# Altium PCB 驰风队20200806.PcbDoc (part 3 of 3) (continued)
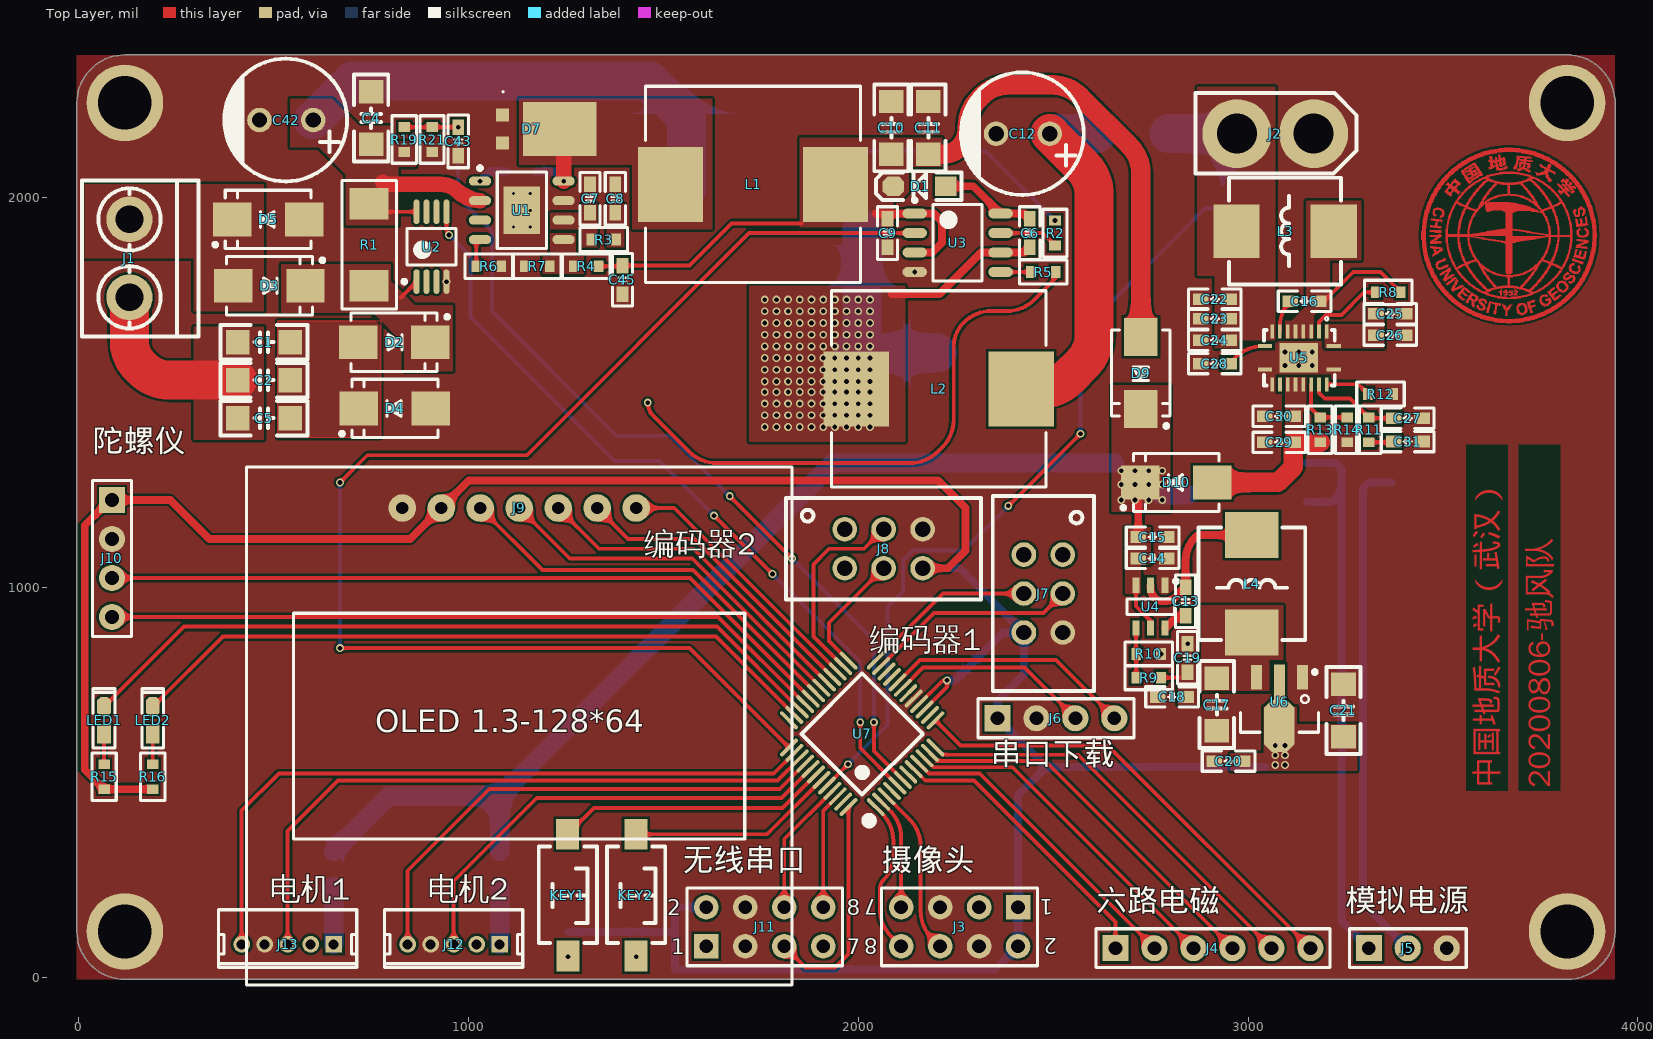
[diagram p0: Top Layer view]
## Nets (pads, with @x,y where several pads share a name; then routed paths per layer and width w, separated by ;. In a path a pad name is that pad's centre, name@x,y a point inside that pad or via, vN(x,y) a via of type N, cw(c..) or ccw(c..) an arc to the next point about the centre after c; other vN are vias at no path point) (continued)
3808,2041.5 ; 3805,2046 3812.5,2046 ; 3806.5,1824 3811,1824 ; 3806.5,1825.5 3812.5,1825.5 ; 3806.5,1984.5 3811,1984.5 ; 3806.5,2020.5 3824.5,2020.5 ; 3806.5,2022 3823,2022 ; 3806.5,2034 3812.5,2034 ; 3806.5,2037 3809.5,2037 ; 3806.5,2047.5 3811,2047.5 ; 3806.5,2070 3821.5,2070 ; 3808,1740 3823,1740 ; 3808,1827 3812.5,1827 ; 3808,1828.5 3814,1828.5 ; 3808,1981.5 3812.5,1981.5 ; 3808,1983 3812.5,1983 ; 3808,2032.5 3814,2032.5 ; 3808,2049 3809.5,2049 ; 3808,2068.5 3823,2068.5 ; 3809.5,1741.5 3824.5,1741.5 ; 3809.5,1782 3817,1782 ; 3809.5,1794 3826,1794 ; 3809.5,1795.5 3814,1795.5 ; 3809.5,1797 3814,1797 ; 3809.5,1798.5 3814,1798.5 ; 3809.5,1800 3814,1800 ; 3809.5,1830 3814,1830 ; 3809.5,1831.5 3815.5,1831.5 ; 3809.5,1978.5 3814,1978.5 ; 3809.5,1980 3814,1980 ; 3809.5,2031 3815.5,2031 ; 3809.5,2067 3824.5,2067 ; 3811,1743 3826,1743 ; 3811,1764 3818.5,1764 ; 3811,1780.5 3818.5,1780.5 ; 3811,1792.5 3823,1792.5 ; 3811,1801.5 3815.5,1801.5 ; 3811,1803 3817,1803 ; 3811,1833 3815.5,1833 ; 3811,1834.5 3817,1834.5 ; 3811,1975.5 3815.5,1975.5 ; 3811,1977 3815.5,1977 ; 3811,2025 3812.5,2025 ; 3811,2029.5 3817,2029.5 ; 3811,2041.5 3821.5,2041.5 ; 3811,2065.5 3826,2065.5 ; 3812.5,1744.5 3827.5,1744.5 ; 3812.5,1779 3820,1779 ; 3812.5,1791 3821.5,1791 ; 3812.5,1804.5 3823,1804.5 ; 3812.5,1836 3817,1836 ; 3812.5,1837.5 3818.5,1837.5 ; 3812.5,1972.5 3817,1972.5 ; 3812.5,1974 3817,1974 ; 3812.5,2014.5 3818.5,2014.5 ; 3812.5,2028 3818.5,2028 ; 3812.5,2040 3817,2040 ; 3812.5,2064 3827.5,2064 ; 3814,1746 3829,1746 ; 3814,1765.5 3820,1765.5 ; 3814,1777.5 3820,1777.5 ; 3814,1806 3823,1806 ; 3814,1839 3818.5,1839 ; 3814,1840.5 3818.5,1840.5 ; 3814,1969.5 3818.5,1969.5 ; 3814,1971 3818.5,1971 ; 3814,2013 3820,2013 ; 3814,2026.5 3820,2026.5 ; 3814,2037 3820,2037 ; 3814,2038.5 3818.5,2038.5 ; 3814,2062.5 3829,2062.5 ; 3815.5,1747.5 3830.5,1747.5 ; 3815.5,1767 3820,1767 ; 3815.5,1768.5 3821.5,1768.5 ; 3815.5,1774.5 3821.5,1774.5 ; 3815.5,1776 3821.5,1776 ; 3815.5,1789.5 3817,1789.5 ; 3815.5,1807.5 3824.5,1807.5 ; 3815.5,1842 3820,1842 ; 3815.5,1843.5 3820,1843.5 ; 3815.5,1965 3820,1965 ; 3815.5,1966.5 3820,1966.5 ; 3815.5,1968 3820,1968 ; 3815.5,2011.5 3821.5,2011.5 ; 3815.5,2025 3821.5,2025 ; 3815.5,2035.5 3821.5,2035.5 ; 3815.5,2044.5 3821.5,2044.5 ; 3815.5,2046 3823,2046 ; 3815.5,2049 3818.5,2049 ; 3815.5,2061 3830.5,2061 ; 3817,1749 3832,1749 ; 3817,1770 3821.5,1770 ; 3817,1771.5 3821.5,1771.5 ; 3817,1773 3821.5,1773 ; 3817,1845 3821.5,1845 ; 3817,1846.5 3821.5,1846.5 ; 3817,1848 3821.5,1848 ; 3817,1962 3821.5,1962 ; 3817,1963.5 3821.5,1963.5 ; 3817,2010 3823,2010 ; 3817,2019 3826,2019 ; 3817,2034 3823,2034 ; 3817,2047.5 3821.5,2047.5 ; 3817,2059.5 3832,2059.5 ; 3818.5,1750.5 3833.5,1750.5 ; 3818.5,1795.5 3827.5,1795.5 ; 3818.5,1809 3821.5,1809 ; 3818.5,1849.5 3823,1849.5 ; 3818.5,1851 3823,1851 ; 3818.5,1852.5 3823,1852.5 ; 3818.5,1957.5 3823,1957.5 ; 3818.5,1959 3823,1959 ; 3818.5,1960.5 3823,1960.5 ; 3818.5,2008.5 3824.5,2008.5 ; 3818.5,2032.5 3824.5,2032.5 ; 3818.5,2058 3833.5,2058 ; 3820,1752 3835,1752 ; 3820,1797 3829,1797 ; 3820,1854 3824.5,1854 ; 3820,1855.5 3824.5,1855.5 ; 3820,1857 3824.5,1857 ; 3820,1953 3824.5,1953 ; 3820,1954.5 3824.5,1954.5 ; 3820,1956 3824.5,1956 ; 3820,2005.5 3826,2005.5 ; 3820,2007 3824.5,2007 ; 3820,2031 3826,2031 ; 3821.5,1753.5 3836.5,1753.5 ; 3821.5,1858.5 3826,1858.5 ; 3821.5,1860 3826,1860 ; 3821.5,1861.5 3826,1861.5 ; 3821.5,1947 3826,1947 ; 3821.5,1948.5 3826,1948.5 ; 3821.5,1950 3826,1950 ; 3821.5,1951.5 3826,1951.5 ; 3821.5,2004 3824.5,2004 ; 3821.5,2029.5 3839.5,2029.5 ; 3821.5,2056.5 3835,2056.5 ; 3823,1755 3838,1755 ; 3823,1783.5 3833.5,1783.5 ; 3823,1785 3835,1785 ; 3823,1798.5 3838,1798.5 ; 3823,1821 3827.5,1821 ; 3823,1863 3827.5,1863 ; 3823,1864.5 3827.5,1864.5 ; 3823,1866 3827.5,1866 ; 3823,1867.5 3827.5,1867.5 ; 3823,1942.5 3827.5,1942.5 ; 3823,1944 3827.5,1944 ; 3823,1945.5 3827.5,1945.5 ; 3823,2028 3839.5,2028 ; 3823,2053.5 3838,2053.5 ; 3823,2055 3836.5,2055 ; 3824.5,1756.5 3839.5,1756.5 ; 3824.5,1782 3830.5,1782 ; 3824.5,1786.5 3827.5,1786.5 ; 3824.5,1800 3838,1800 ; 3824.5,1815 3832,1815 ; 3824.5,1816.5 3830.5,1816.5 ; 3824.5,1818 3829,1818 ; 3824.5,1819.5 3829,1819.5 ; 3824.5,1822.5 3829,1822.5 ; 3824.5,1824 3829,1824 ; 3824.5,1825.5 3830.5,1825.5 ; 3824.5,1869 3827.5,1869 ; 3824.5,1870.5 3829,1870.5 ; 3824.5,1872 3829,1872 ; 3824.5,1873.5 3829,1873.5 ; 3824.5,1875 3829,1875 ; 3824.5,1935 3829,1935 ; 3824.5,1936.5 3829,1936.5 ; 3824.5,1938 3829,1938 ; 3824.5,1939.5 3829,1939.5 ; 3824.5,1941 3827.5,1941 ; 3824.5,2026.5 3841,2026.5 ; 3824.5,2035.5 3830.5,2035.5 ; 3824.5,2037 3832,2037 ; 3824.5,2038.5 3832,2038.5 ; 3824.5,2052 3839.5,2052 ; 3826,1758 3839.5,1758 ; 3826,1801.5 3835,1801.5 ; 3826,1813.5 3833.5,1813.5 ; 3826,1827 3830.5,1827 ; 3826,1828.5 3836.5,1828.5 ; 3826,1876.5 3829,1876.5 ; 3826,1878 3830.5,1878 ; 3826,1879.5 3830.5,1879.5 ; 3826,1881 3830.5,1881 ; 3826,1882.5 3830.5,1882.5 ; 3826,1884 3830.5,1884 ; 3826,1926 3830.5,1926 ; 3826,1927.5 3830.5,1927.5 ; 3826,1929 3830.5,1929 ; 3826,1930.5 3830.5,1930.5 ; 3826,1932 3830.5,1932 ; 3826,1933.5 3829,1933.5 ; 3826,2025 3832,2025 ; 3826,2034 3829,2034 ; 3826,2040 3829,2040 ; 3826,2041.5 3827.5,2041.5 ; 3826,2050.5 3841,2050.5 ; 3827.5,1759.5 3841,1759.5 ; 3827.5,1812 3838,1812 ; 3827.5,1830 3836.5,1830 ; 3827.5,1885.5 3830.5,1885.5 ; 3827.5,1887 3830.5,1887 ; 3827.5,1888.5 3832,1888.5 ; 3827.5,1890 3832,1890 ; 3827.5,1891.5 3832,1891.5 ; 3827.5,1893 3832,1893 ; 3827.5,1894.5 3832,1894.5 ; 3827.5,1896 3832,1896 ; 3827.5,1897.5 3832,1897.5 ; 3827.5,1899 3832,1899 ; 3827.5,1900.5 3832,1900.5 ; 3827.5,1906.5 3832,1906.5 ; 3827.5,1908 3832,1908 ; 3827.5,1909.5 3832,1909.5 ; 3827.5,1911 3832,1911 ; 3827.5,1912.5 3832,1912.5 ; 3827.5,1914 3832,1914 ; 3827.5,1915.5 3832,1915.5 ; 3827.5,1917 3832,1917 ; 3827.5,1918.5 3832,1918.5 ; 3827.5,1920 3832,1920 ; 3827.5,1921.5 3830.5,1921.5 ; 3827.5,1923 3830.5,1923 ; 3827.5,1924.5 3830.5,1924.5 ; 3827.5,2016 3836.5,2016 ; 3827.5,2022 3833.5,2022 ; 3827.5,2023.5 3832,2023.5 ; 3827.5,2049 3841,2049 ; 3829,1761 3842.5,1761 ; 3829,1786.5 3836.5,1786.5 ; 3829,1810.5 3850,1810.5 ; 3829,1831.5 3836.5,1831.5 ; 3829,2014.5 3835,2014.5 ; 3829,2017.5 3838,2017.5 ; 3829,2047.5 3842.5,2047.5 ; 3830.5,1762.5 3844,1762.5 ; 3830.5,2013 3833.5,2013 ; 3830.5,2019 3836.5,2019 ; 3830.5,2020.5 3835,2020.5 ; 3830.5,2046 3844,2046 ; 3832,1764 3845.5,1764 ; 3832,1788 3838,1788 ; 3832,1809 3848.5,1809 ; 3832,1833 3836.5,1833 ; 3832,1840.5 3847,1840.5 ; 3832,1842 3842.5,1842 ; 3832,2044.5 3845.5,2044.5 ; 3833.5,1765.5 3847,1765.5 ; 3833.5,1789.5 3838,1789.5 ; 3833.5,1791 3839.5,1791 ; 3833.5,1795.5 3839.5,1795.5 ; 3833.5,1797 3839.5,1797 ; 3833.5,1843.5 3838,1843.5 ; 3833.5,1845 3835,1845 ; 3833.5,2043 3847,2043 ; 3835,1767 3847,1767 ; 3835,1768.5 3848.5,1768.5 ; 3835,1792.5 3839.5,1792.5 ; 3835,1794 3839.5,1794 ; 3835,1807.5 3847,1807.5 ; 3835,1839 3850,1839 ; 3835,1851 3853,1851 ; 3835,1960.5 3839.5,1960.5 ; 3835,1962 3839.5,1962 ; 3835,1963.5 3839.5,1963.5 ; 3835,1965 3839.5,1965 ; 3835,1966.5 3841,1966.5 ; 3835,1968 3842.5,1968 ; 3835,2041.5 3847,2041.5 ; 3836.5,1770 3850,1770 ; 3836.5,1849.5 3856,1849.5 ; 3836.5,1852.5 3845.5,1852.5 ; 3836.5,1854 3841,1854 ; 3836.5,1855.5 3841,1855.5 ; 3836.5,1957.5 3842.5,1957.5 ; 3836.5,1959 3841,1959 ; 3836.5,1969.5 3842.5,1969.5 ; 3836.5,2031 3838,2031 ; 3836.5,2038.5 3850,2038.5 ; 3836.5,2040 3848.5,2040 ; 3838,1771.5 3851.5,1771.5 ; 3838,1857 3842.5,1857 ; 3838,1858.5 3842.5,1858.5 ; 3838,1860 3842.5,1860 ; 3838,1861.5 3842.5,1861.5 ; 3838,1954.5 3850,1954.5 ; 3838,1956 3851.5,1956 ; 3838,1971 3841,1971 ; 3838,2025 3841,2025 ; 3838,2037 3851.5,2037 ; 3839.5,1773 3851.5,1773 ; 3839.5,1837.5 3854.5,1837.5 ; 3839.5,1863 3844,1863 ; 3839.5,1864.5 3844,1864.5 ; 3839.5,1866 3844,1866 ; 3839.5,1867.5 3845.5,1867.5 ; 3839.5,1945.5 3844,1945.5 ; 3839.5,2035.5 3851.5,2035.5 ; 3841,1774.5 3853,1774.5 ; 3841,1776 3854.5,1776 ; 3841,1869 3844,1869 ; 3841,1875 3868,1875 ; 3841,1938 3845.5,1938 ; 3841,1939.5 3845.5,1939.5 ; 3841,1941 3845.5,1941 ; 3841,1942.5 3845.5,1942.5 ; 3841,1944 3845.5,1944 ; 3841,1947 3844,1947 ; 3841,1953 3848.5,1953 ; 3841,2032.5 3854.5,2032.5 ; 3841,2034 3853,2034 ; 3842.5,1777.5 3854.5,1777.5 ; 3842.5,1848 3865,1848 ; 3842.5,1873.5 3871,1873.5 ; 3842.5,1876.5 3853,1876.5 ; 3842.5,1878 3853,1878 ; 3842.5,1927.5 3850,1927.5 ; 3842.5,1929 3859,1929 ; 3842.5,1930.5 3868,1930.5 ; 3842.5,1932 3872.5,1932 ; 3842.5,1933.5 3847,1933.5 ; 3842.5,1935 3847,1935 ; 3842.5,1936.5 3845.5,1936.5 ; 3842.5,2031 3856,2031 ; 3844,1779 3856,1779 ; 3844,1836 3859,1836 ; 3844,1879.5 3856,1879.5 ; 3844,1891.5 3872.5,1891.5 ; 3844,1893 3865,1893 ; 3844,1894.5 3853,1894.5 ; 3844,1906.5 3850,1906.5 ; 3844,1908 3848.5,1908 ; 3844,1909.5 3848.5,1909.5 ; 3844,1911 3848.5,1911 ; 3844,1912.5 3848.5,1912.5 ; 3844,1914 3848.5,1914 ; 3844,1915.5 3848.5,1915.5 ; 3844,1917 3850,1917 ; 3844,2029.5 3856,2029.5 ; 3845.5,1780.5 3857.5,1780.5 ; 3845.5,1782 3857.5,1782 ; 3845.5,1812 3851.5,1812 ; 3845.5,1824 3851.5,1824 ; 3845.5,1905 3853,1905 ; 3845.5,1918.5 3853,1918.5 ; 3845.5,1920 3853,1920 ; 3845.5,1957.5 3851.5,1957.5 ; 3845.5,2026.5 3857.5,2026.5 ; 3845.5,2028 3857.5,2028 ; 3847,1783.5 3859,1783.5 ; 3847,1813.5 3853,1813.5 ; 3847,1821 3853,1821 ; 3847,1822.5 3853,1822.5 ; 3847,1825.5 3851.5,1825.5 ; 3847,1881 3859,1881 ; 3847,1903.5 3871,1903.5 ; 3847,1959 3851.5,1959 ; 3847,1960.5 3851.5,1960.5 ; 3847,1962 3851.5,1962 ; 3847,1963.5 3851.5,1963.5 ; 3847,1965 3851.5,1965 ; 3847,1966.5 3851.5,1966.5 ; 3847,1968 3851.5,1968 ; 3847,1969.5 3851.5,1969.5 ; 3847,1971 3853,1971 ; 3847,1972.5 3863.5,1972.5 ; 3847,2025 3859,2025 ; 3848.5,1785 3860.5,1785 ; 3848.5,1786.5 3860.5,1786.5 ; 3848.5,1815 3853,1815 ; 3848.5,1816.5 3853,1816.5 ; 3848.5,1818 3853,1818 ; 3848.5,1819.5 3853,1819.5 ; 3848.5,1827 3850,1827 ; 3848.5,1834.5 3860.5,1834.5 ; 3848.5,1846.5 3865,1846.5 ; 3848.5,1852.5 3853,1852.5 ; 3848.5,1854 3853,1854 ; 3848.5,1855.5 3853,1855.5 ; 3848.5,1902 3869.5,1902 ; 3848.5,1921.5 3851.5,1921.5 ; 3848.5,1974 3862,1974 ; 3848.5,2022 3860.5,2022 ; 3848.5,2023.5 3860.5,2023.5 ; 3850,1788 3862,1788 ; 3850,1857 3854.5,1857 ; 3850,1858.5 3854.5,1858.5 ; 3850,1860 3854.5,1860 ; 3850,1861.5 3854.5,1861.5 ; 3850,1923 3851.5,1923 ; 3850,1975.5 3860.5,1975.5 ; 3850,2020.5 3862,2020.5 ; 3851.5,1789.5 3863.5,1789.5 ; 3851.5,1791 3863.5,1791 ; 3851.5,1833 3860.5,1833 ; 3851.5,1863 3856,1863 ; 3851.5,1864.5 3856,1864.5 ; 3851.5,1882.5 3862,1882.5 ; 3851.5,1890 3872.5,1890 ; 3851.5,1900.5 3866.5,1900.5 ; 3851.5,1945.5 3856,1945.5 ; 3851.5,1947 3856,1947 ; 3851.5,2017.5 3863.5,2017.5 ; 3851.5,2019 3863.5,2019 ; 3853,1792.5 3865,1792.5 ; 3853,1794 3865,1794 ; 3853,1845 3863.5,1845 ; 3853,1933.5 3871,1933.5 ; 3853,1936.5 3857.5,1936.5 ; 3853,1938 3857.5,1938 ; 3853,1939.5 3857.5,1939.5 ; 3853,1941 3857.5,1941 ; 3853,1942.5 3857.5,1942.5 ; 3853,1944 3856,1944 ; 3853,1977 3857.5,1977 ; 3853,2014.5 3865,2014.5 ; 3853,2016 3865,2016 ; 3854.5,1795.5 3866.5,1795.5 ; 3854.5,1872 3871,1872 ; 3854.5,1884 3866.5,1884 ; 3854.5,1935 3857.5,1935 ; 3854.5,2013 3866.5,2013 ; 3856,1797 3866.5,1797 ; 3856,1798.5 3868,1798.5 ; 3856,1831.5 3859,1831.5 ; 3856,2010 3868,2010 ; 3856,2011.5 3866.5,2011.5 ; 3857.5,1800 3868,1800 ; 3857.5,1801.5 3869.5,1801.5 ; 3857.5,1885.5 3869.5,1885.5 ; 3857.5,1956 3860.5,1956 ; 3857.5,1957.5 3862,1957.5 ; 3857.5,1959 3863.5,1959 ; 3857.5,1960.5 3865,1960.5 ; 3857.5,2007 3869.5,2007 ; 3857.5,2008.5 3869.5,2008.5 ; 3859,1803 3871,1803 ; 3859,1804.5 3871,1804.5 ; 3859,1843.5 3863.5,1843.5 ; 3859,1962 3865,1962 ; 3859,1969.5 3865,1969.5 ; 3859,1971 3863.5,1971 ; 3859,2004 3871,2004 ; 3859,2005.5 3871,2005.5 ; 3860.5,1806 3872.5,1806 ; 3860.5,1807.5 3872.5,1807.5 ; 3860.5,1849.5 3865,1849.5 ; 3860.5,1963.5 3865,1963.5 ; 3860.5,1965 3865,1965 ; 3860.5,1966.5 3865,1966.5 ; 3860.5,1968 3865,1968 ; 3860.5,2001 3872.5,2001 ; 3860.5,2002.5 3872.5,2002.5 ; 3862,1809 3872.5,1809 ; 3862,1810.5 3874,1810.5 ; 3862,1851 3866.5,1851 ; 3862,1852.5 3866.5,1852.5 ; 3862,1854 3866.5,1854 ; 3862,1855.5 3866.5,1855.5 ; 3862,1887 3872.5,1887 ; 3862,1888.5 3872.5,1888.5 ; 3862,1998 3874,1998 ; 3862,1999.5 3874,1999.5 ; 3863.5,1812 3874,1812 ; 3863.5,1813.5 3875.5,1813.5 ; 3863.5,1857 3868,1857 ; 3863.5,1858.5 3868,1858.5 ; 3863.5,1860 3868,1860 ; 3863.5,1861.5 3869.5,1861.5 ; 3863.5,1905 3872.5,1905 ; 3863.5,1918.5 3872.5,1918.5 ; 3863.5,1920 3871,1920 ; 3863.5,1921.5 3869.5,1921.5 ; 3863.5,1923 3866.5,1923 ; 3863.5,1995 3875.5,1995 ; 3863.5,1996.5 3874,1996.5 ; 3865,1815 3875.5,1815 ; 3865,1816.5 3877,1816.5 ; 3865,1863 3868,1863 ; 3865,1935 3871,1935 ; 3865,1944 3869.5,1944 ; 3865,1945.5 3869.5,1945.5 ; 3865,1947 3869.5,1947 ; 3865,1948.5 3869.5,1948.5 ; 3865,1950 3869.5,1950 ; 3865,1951.5 3868,1951.5 ; 3865,1992 3877,1992 ; 3865,1993.5 3875.5,1993.5 ; 3866.5,1818 3877,1818 ; 3866.5,1819.5 3878.5,1819.5 ; 3866.5,1870.5 3871,1870.5 ; 3866.5,1906.5 3872.5,1906.5 ; 3866.5,1917 3872.5,1917 ; 3866.5,1936.5 3871,1936.5 ; 3866.5,1938 3871,1938 ; 3866.5,1939.5 3871,1939.5 ; 3866.5,1941 3871,1941 ; 3866.5,1942.5 3869.5,1942.5 ; 3866.5,1989 3878.5,1989 ; 3866.5,1990.5 3877,1990.5 ; 3868,1821 3878.5,1821 ; 3868,1822.5 3878.5,1822.5 ; 3868,1824 3880,1824 ; 3868,1908 3872.5,1908 ; 3868,1915.5 3872.5,1915.5 ; 3868,1986 3878.5,1986 ; 3868,1987.5 3878.5,1987.5 ; 3869.5,1825.5 3880,1825.5 ; 3869.5,1827 3880,1827 ; 3869.5,1909.5 3874,1909.5 ; 3869.5,1911 3874,1911 ; 3869.5,1912.5 3874,1912.5 ; 3869.5,1914 3874,1914 ; 3869.5,1981.5 3881.5,1981.5 ; 3869.5,1983 3880,1983 ; 3869.5,1984.5 3880,1984.5 ; 3871,1828.5 3881.5,1828.5 ; 3871,1830 3881.5,1830 ; 3871,1831.5 3883,1831.5 ; 3871,1977 3883,1977 ; 3871,1978.5 3881.5,1978.5 ; 3871,1980 3881.5,1980 ; 3872.5,1833 3883,1833 ; 3872.5,1834.5 3883,1834.5 ; 3872.5,1836 3883,1836 ; 3872.5,1972.5 3884.5,1972.5 ; 3872.5,1974 3883,1974 ; 3872.5,1975.5 3883,1975.5 ; 3874,1837.5 3884.5,1837.5 ; 3874,1839 3884.5,1839 ; 3874,1840.5 3884.5,1840.5 ; 3874,1968 3884.5,1968 ; 3874,1969.5 3884.5,1969.5 ; 3874,1971 3884.5,1971 ; 3875.5,1842 3886,1842 ; 3875.5,1843.5 3886,1843.5 ; 3875.5,1845 3886,1845 ; 3875.5,1963.5 3886,1963.5 ; 3875.5,1965 3886,1965 ; 3875.5,1966.5 3886,1966.5 ; 3877,1846.5 3887.5,1846.5 ; 3877,1848 3887.5,1848 ; 3877,1849.5 3887.5,1849.5 ; 3877,1851 3887.5,1851 ; 3877,1957.5 3887.5,1957.5 ; 3877,1959 3887.5,1959 ; 3877,1960.5 3887.5,1960.5 ; 3877,1962 3887.5,1962 ; 3878.5,1852.5 3889,1852.5 ; 3878.5,1854 3889,1854 ; 3878.5,1855.5 3889,1855.5 ; 3878.5,1857 3889,1857 ; 3878.5,1951.5 3889,1951.5 ; 3878.5,1953 3889,1953 ; 3878.5,1954.5 3889,1954.5 ; 3878.5,1956 3889,1956 ; 3880,1858.5 3889,1858.5 ; 3880,1860 3890.5,1860 ; 3880,1861.5 3890.5,1861.5 ; 3880,1863 3890.5,1863 ; 3880,1864.5 3890.5,1864.5 ; 3880,1944 3890.5,1944 ; 3880,1945.5 3890.5,1945.5 ; 3880,1947 3890.5,1947 ; 3880,1948.5 3890.5,1948.5 ; 3880,1950 3889,1950 ; 3881.5,1866 3890.5,1866 ; 3881.5,1867.5 3892,1867.5 ; 3881.5,1869 3892,1869 ; 3881.5,1870.5 3892,1870.5 ; 3881.5,1872 3892,1872 ; 3881.5,1873.5 3892,1873.5 ; 3881.5,1936.5 3892,1936.5 ; 3881.5,1938 3892,1938 ; 3881.5,1939.5 3892,1939.5 ; 3881.5,1941 3892,1941 ; 3881.5,1942.5 3890.5,1942.5 ; 3883,1875 3892,1875 ; 3883,1876.5 3892,1876.5 ; 3883,1878 3893.5,1878 ; 3883,1879.5 3893.5,1879.5 ; 3883,1881 3893.5,1881 ; 3883,1882.5 3893.5,1882.5 ; 3883,1884 3893.5,1884 ; 3883,1885.5 3893.5,1885.5 ; 3883,1887 3893.5,1887 ; 3883,1923 3893.5,1923 ; 3883,1924.5 3893.5,1924.5 ; 3883,1926 3893.5,1926 ; 3883,1927.5 3893.5,1927.5 ; 3883,1929 3893.5,1929 ; 3883,1930.5 3893.5,1930.5 ; 3883,1932 3892,1932 ; 3883,1933.5 3892,1933.5 ; 3883,1935 3892,1935 ; 3884.5,1888.5 3893.5,1888.5 ; 3884.5,1890 3893.5,1890 ; 3884.5,1891.5 3893.5,1891.5 ; 3884.5,1893 3893.5,1893 ; 3884.5,1894.5 3893.5,1894.5 ; 3884.5,1896 3893.5,1896 ; 3884.5,1897.5 3893.5,1897.5 ; 3884.5,1899 3895,1899 ; 3884.5,1900.5 3895,1900.5 ; 3884.5,1902 3895,1902 ; 3884.5,1903.5 3895,1903.5 ; 3884.5,1905 3895,1905 ; 3884.5,1906.5 3895,1906.5 ; 3884.5,1908 3895,1908 ; 3884.5,1909.5 3895,1909.5 ; 3884.5,1911 3893.5,1911 ; 3884.5,1912.5 3893.5,1912.5 ; 3884.5,1914 3893.5,1914 ; 3884.5,1915.5 3893.5,1915.5 ; 3884.5,1917 3893.5,1917 ; 3884.5,1918.5 3893.5,1918.5 ; 3884.5,1920 3893.5,1920 ; 3884.5,1921.5 3893.5,1921.5

## Polygon pours and split planes (outlines as drawn)
GND on Top Layer "GND_L01_P058" (solid, remove dead copper, pour order 58): -5.02,2366.72 -5.01,-5.01 3941.52,-5.01 3941.52,2366.72
5V_LDO on Top Layer "5V_LDO_L01_P048" (solid, remove dead copper, pour order 48): 2955,575 3040,575 3040,695 3125,695 3125,650 3280,650 3280,530 2955,530
6V on Top Layer "6V_L01_P044" (solid, remove dead copper, pour order 44): 2820,700 2875,700 2875,735 3055,735 3055,815 3090,815 3090,955 2880,955 2880,815 2820,815
12V on Top Layer "12V_L01_P042" (solid, remove dead copper, pour order 42): 2685,1155 2750,1155 2750,1060 2725,1060 2725,985 2685,985
12V on Top Layer "12V_L01_P040" (solid, remove dead copper, pour order 40): 2650,1520 2800,1520 2800,1195 2650,1195
12.5V on Top Layer "12.5V_L01_P038" (solid, remove dead copper, pour order 38): 3095,1540 3150,1540 3150,1460 3140,1450 3140,1350 3095,1350
NetC25_2 on Top Layer "NETC25_2_L01_P036" (solid, remove dead copper, pour order 36): 3350,1720 3350,1615 3197.5,1615 3197.5,1676.36 3305,1676.36 3305,1720
NetC16_2 on Top Layer "NETC16_2_L01_P034" (solid, remove dead copper, pour order 34): 3095,1640 3168.43,1640 3168.43,1698.43 3185,1715 3210,1715 3210,1840 3290,1840 3290,1993.31 3150,1993.31 3150,1723 3112,1685 3095,1685
CAP_12V on Top Layer "CAP_12V_L01_P032" (solid, remove dead copper, pour order 32): 2915,1615 2975,1615 2975,1635 3070,1635 3070,2285 2870,2285 2870,1800 2915,1800
NetC6_2 on Top Layer "NETC6_2_L01_P028" (solid, remove dead copper, pour order 28): 1720,1775 2120,1775 2120,1375 1720,1375
DCDC_12V on Top Layer "DCDC_12V_L01_P026" (solid, remove dead copper, pour order 26): 2090,1925 1850,1925 1850,2155 2215,2155 2215,2080 2130,2080 2130,2015 2110,1995 2090,1995
NetC3_1 on Top Layer "NETC3_1_L01_P022" (solid, remove dead copper, pour order 22): 1130,2255.17 1625,2255.17 1625,1920 1420,1920 1420,2085 1130,2085
NetC8_1 on Top Layer "NETC8_1_L01_P020" (solid, remove dead copper, pour order 20): 1355,1985 1400,1985 1400,1873.5 1355,1873.5
NetC7_1 on Top Layer "NETC7_1_L01_P018" (solid, remove dead copper, pour order 18): 1210,1961.81 1290,1961.81 1290,1985 1330,1985 1330,1873.5 1290,1873.5 1290,1920 1210,1920
FB on Top Layer "FB_L01_P016" (solid, remove dead copper, pour order 16): 1210,1910 1275,1910 1275,1850 1295,1850 1295,1805 1190,1805 1190,1850 1210,1850
VCC_OUTPUT on Top Layer "VCC_OUTPUT_L01_P014" (solid, remove dead copper, pour order 14): 542.5,2255 542.5,2130 615,2130 685,2060 685,1930 820,1930 820,2080 865,2080 865,2145 800,2145 800,2185 720,2185 650,2255
no net on Top Layer "NONET_L01_P012" (solid, remove dead copper, pour order 12): 510,1685 775,1685 775,1385 510,1385
NetC1_1 on Top Layer "NETC1_1_L01_P010" (solid, remove dead copper, pour order 10): 510,1685 775,1685 775,1385 510,1385
VCC on Top Layer "VCC_L01_P006" (solid, remove dead copper, pour order 6): 520,1830 800,1830 800,1787 862,1725 960,1725 960,1555 835,1555 835,1625 755,1705 520,1705
NetC1_2 on Top Layer "NETC1_2_L01_P002" (solid, remove dead copper, pour order 2): 475,1670 295,1670 295,1380 475,1380
NetD3_1 on Top Layer "NETD3_1_L01_P000" (solid, remove dead copper, pour order 0): 15,2034.81 475,2034.81 475,1710 295,1710 295,1845 15,1845
GND on Bottom Layer "GND_L02_P062" (solid, remove dead copper, pour order 62): -5.02,-5.01 -5.02,2366.72 3941.52,2366.72 3941.52,-5.01
no net on Bottom Layer "Bottom Layer-No Net" (solid, remove dead copper, pour order 60): 115,120
2.5V on Bottom Layer "2.5V_L02_P056" (solid, remove dead copper, pour order 56): 3325,1385 3415,1385 3415,1320 3545,1320 3545,1255 3325,1255
A5V on Bottom Layer "A5V_L02_P054" (solid, remove dead copper, pour order 54): 2860,1292.5 3200,1292.5 3200,1460 3020,1460 3020,1515 2950,1515 2950,1450 2860,1450
12V on Bottom Layer "12V_L02_P052" (solid, remove dead copper, pour order 52): 2650,1395 2800,1395 2800,1190 2650,1190
5V_LDO on Bottom Layer "5V_LDO_L02_P050" (solid, remove dead copper, pour order 50): 3045,610 3120,610 3120,530 3045,530
no net on Top Overlay (solid, remove dead copper): 118.11,2244.09

## Other copper
Top Layer:
  text "中国地质大学（武汉）" at 3660,485 h100 r90
  text "20200806-驰风队" at 3795,485 h100 r90

## Silkscreen, mask and mechanical layers (free items; w line width, h text height)
Top Overlay:
  text "陀螺仪" at 36,1330 h100
  text "编码器2" at 1451,1065 h100
  text "编码器1" at 2030,820 h100
  text "串口下载" at 2340,526.01 h100
  text "无线串口" at 1550,255 h100
  text "摄像头" at 2060,255 h100
  text "电机1" at 490,180 h100
  text "电机2" at 895,180 h100
  text "六路电磁" at 2610,150 h100
  text "模拟电源" at 3250,150 h100
Top Solder:
  drawing of 3239 lines, arcs and shapes, not listed
  text "中国地质大学（武汉）" at 3660,485 h100 r90
  text "20200806-驰风队" at 3795,485 h100 r90
Mechanical 1:
  lines w10: 3818.9,0 ccw(c3818.9,118.11) 3937.01,118.11 ; 3818.9,2362.2 cw(c3818.9,2244.09) 3937.01,2244.09 ; 3820,0 118.11,0 cw(c118.11,118.11) 0,118.11 0,2244.09 cw(c118.11,2244.09) 118.11,2362.2 3827.8,2362.2 ; 3937.01,117.01 3937.01,2252.99

## Text inside footprints (layer, text, board x,y; h text height)
J3: Top Overlay "8" at 2050,100 h40 r180; Top Overlay "1" at 2500,200 h40 r180; Top Overlay "2" at 2510,100 h40 r180; Top Overlay "7" at 2050,200 h40 r180
J9: Top Overlay "OLED 1.3-128*64" at 760,610.13 h100
J11: Top Overlay "8" at 1970,160 h40; Top Overlay "1" at 1520,60 h40; Top Overlay "2" at 1510,160 h40; Top Overlay "7" at 1970,60 h40